# KiCad board panel.kicad_pcb (continued)
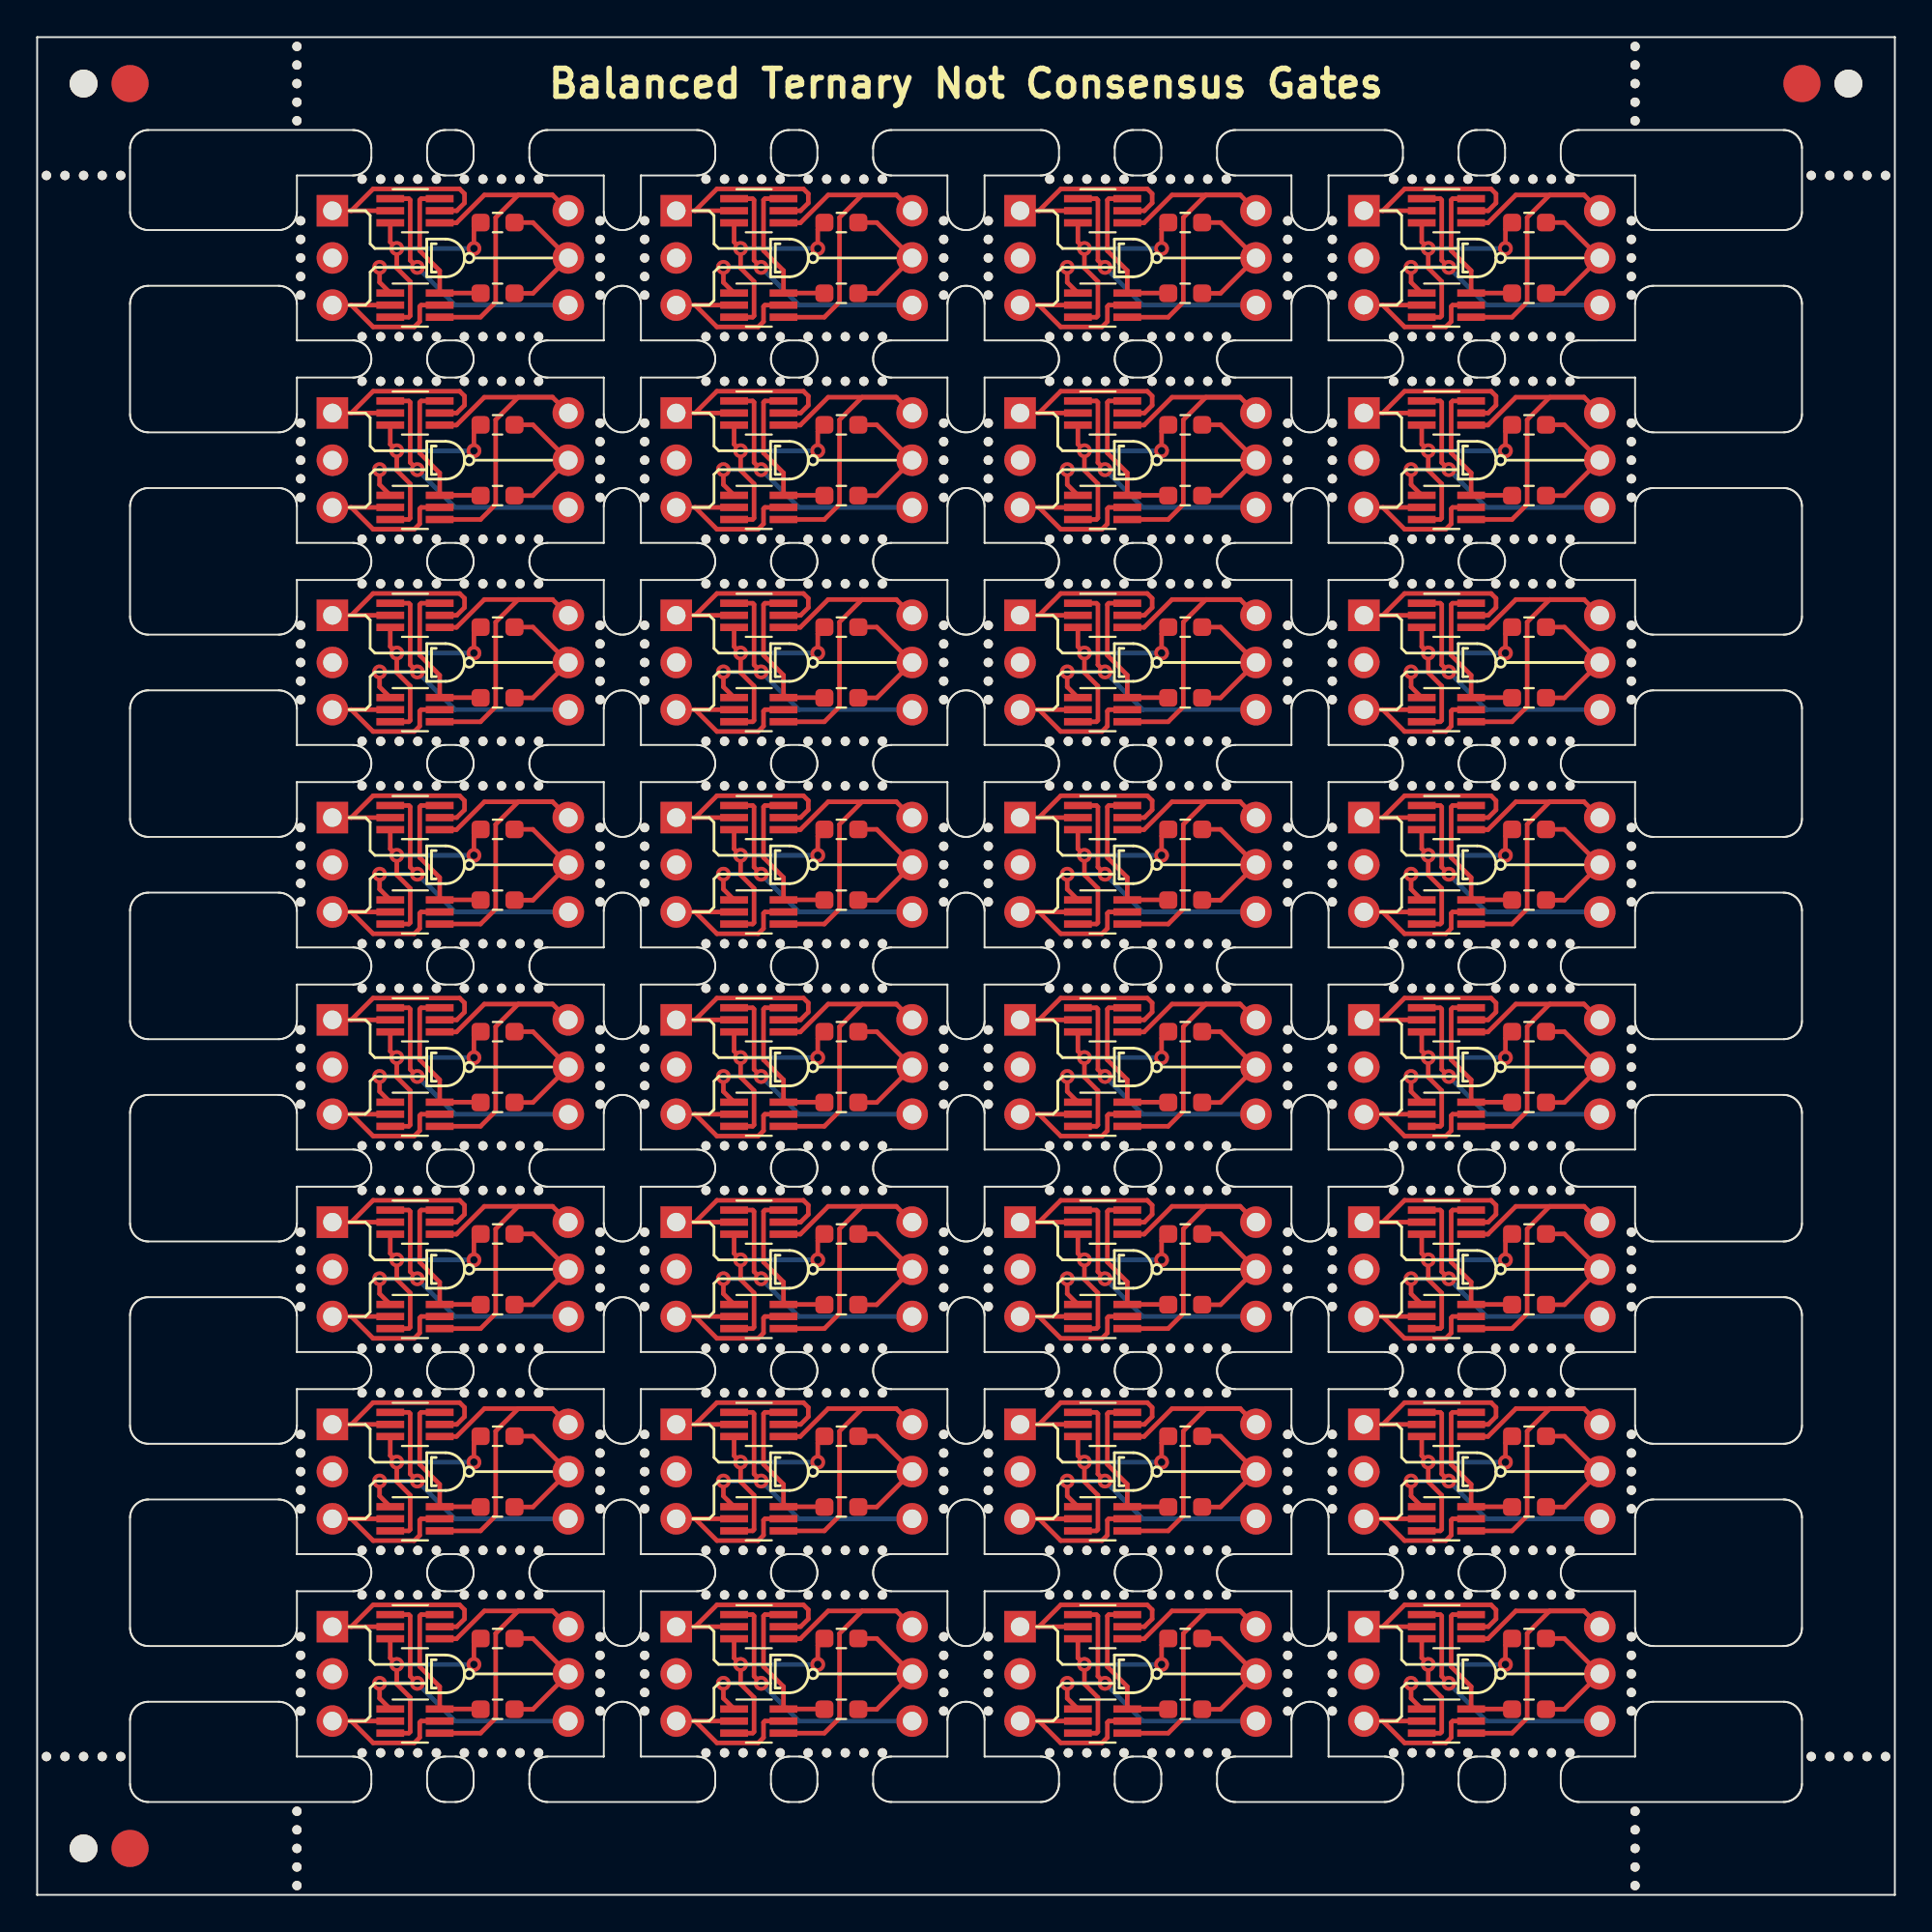
[diagram p0: board, top side]
## Routing (per net, layer and track width the routed paths; a pad name or vN(x,y) marks a point on that pad's centre or on a via; arc(x,y) is an arc through that point) (continued)
Board_30-Net-(Q1-Pad3): length 12.3
  Top w0.25: v1(60.53,12.4) 60.53,13.44 R1#24.1 ; Q2#11.3 57.03,8.71 57.11,8.78 57.11,10.63 56.38,11.35 v1(56.38,12.4) 56.03,12.75 Q1#17.3
  Bottom w0.25: v1(60.53,12.4) v1(56.38,12.4)
Board_30-Net-(Q1-Pad6): length 8.8
  Top w0.25: Q1#17.6 57.69,15.09 57.61,15.01 57.61,12.28 58.69,11.21 Q2#11.6 60.88,10.01 R2#25.2
Board_30-Out: length 7.4
  Top w0.25: R1#24.2 63.71,13.8 J2#24.2 63.71,9.99 R2#25.1
Board_30-VDD: length 19.4
  Top w0.25: Q1#17.4 59.59,13.79 61.09,15.29 64.77,15.29 ; 64.77,15.29 J2#24.1 ; 64.77,15.29 62.92,15.29 61.7,14.07 61.7,9.52 60.89,8.71 Q2#11.4
Board_30-VSS: length 17.5
  Top w0.25: Q2#11.1 55.45,10.58 v1(55.45,11.39) ; Q1#17.1 57.03,15.09 57.11,15.01 57.11,11.77 v1(57.49,11.39)
  Bottom w0.25: v1(55.45,11.39) v1(57.49,11.39) 59.52,9.36 J2#24.3
Board_31-A: length 9.3
  Top w0.25: Q2#26.5 76.2,9.36 76.12,9.28 76.12,8.47 75.84,8.18 73.62,8.18 72.44,9.36 ; 72.44,9.36 Q2#26.2 ; 72.44,9.36 J1#8.3
Board_31-B: length 11.8
  Top w0.25: 72.44,14.44 Q1#21.2 ; 72.44,14.44 73.62,15.61 78.28,15.61 78.54,15.35 78.54,14.85 78.12,14.44 Q1#21.5 ; 72.44,14.44 J1#8.1
Board_31-Net-(Q1-Pad3): length 12.3
  Top w0.25: R1#22.1 79.05,13.44 v1(79.05,12.4) ; Q1#21.3 74.54,12.75 v1(74.89,12.4) 74.89,11.35 75.61,10.63 75.61,8.78 75.54,8.71 Q2#26.3
  Bottom w0.25: v1(79.05,12.4) v1(74.89,12.4)
Board_31-Net-(Q1-Pad6): length 8.8
  Top w0.25: R2#12.2 79.39,10.01 Q2#26.6 77.2,11.21 76.12,12.28 76.12,15.01 76.2,15.09 Q1#21.6
Board_31-Out: length 7.4
  Top w0.25: R1#22.2 82.22,13.8 J2#5.2 82.22,9.99 R2#12.1
Board_31-VDD: length 19.4
  Top w0.25: 83.28,15.29 79.6,15.29 78.1,13.79 Q1#21.4 ; 83.28,15.29 81.43,15.29 80.22,14.07 80.22,9.52 79.4,8.71 Q2#26.4 ; 83.28,15.29 J2#5.1
Board_31-VSS: length 17.5
  Top w0.25: v1(73.97,11.39) 73.97,10.58 Q2#26.1 ; v1(76,11.39) 75.61,11.77 75.61,15.01 75.54,15.09 Q1#21.1
  Bottom w0.25: v1(73.97,11.39) v1(76,11.39) 78.03,9.36 J2#5.3

## Text on the board
B.Silkscreen: B | A
F.Silkscreen: Balanced Ternary Not Consensus Gates
